# Altium PCB FMC_ADC_128CH_10B.PcbDoc (part 8 of 14)
Units mm, origin at the board's own origin, x right, y up, seen from the top; angles counter-clockwise.
Board outline 76.5 x 69 mm, 8 copper layers (Top Layer, Int1 (Sign), Int2 (GND), Int3 (Sign), Int4 (Sign), Int5 (GND), Int6 (Sign), Bottom Layer), stack 1.433 mm thick; 815 components, 661 nets, 3772 pads, 2072 vias.
Unrouted connection lines stored in the file: 135.
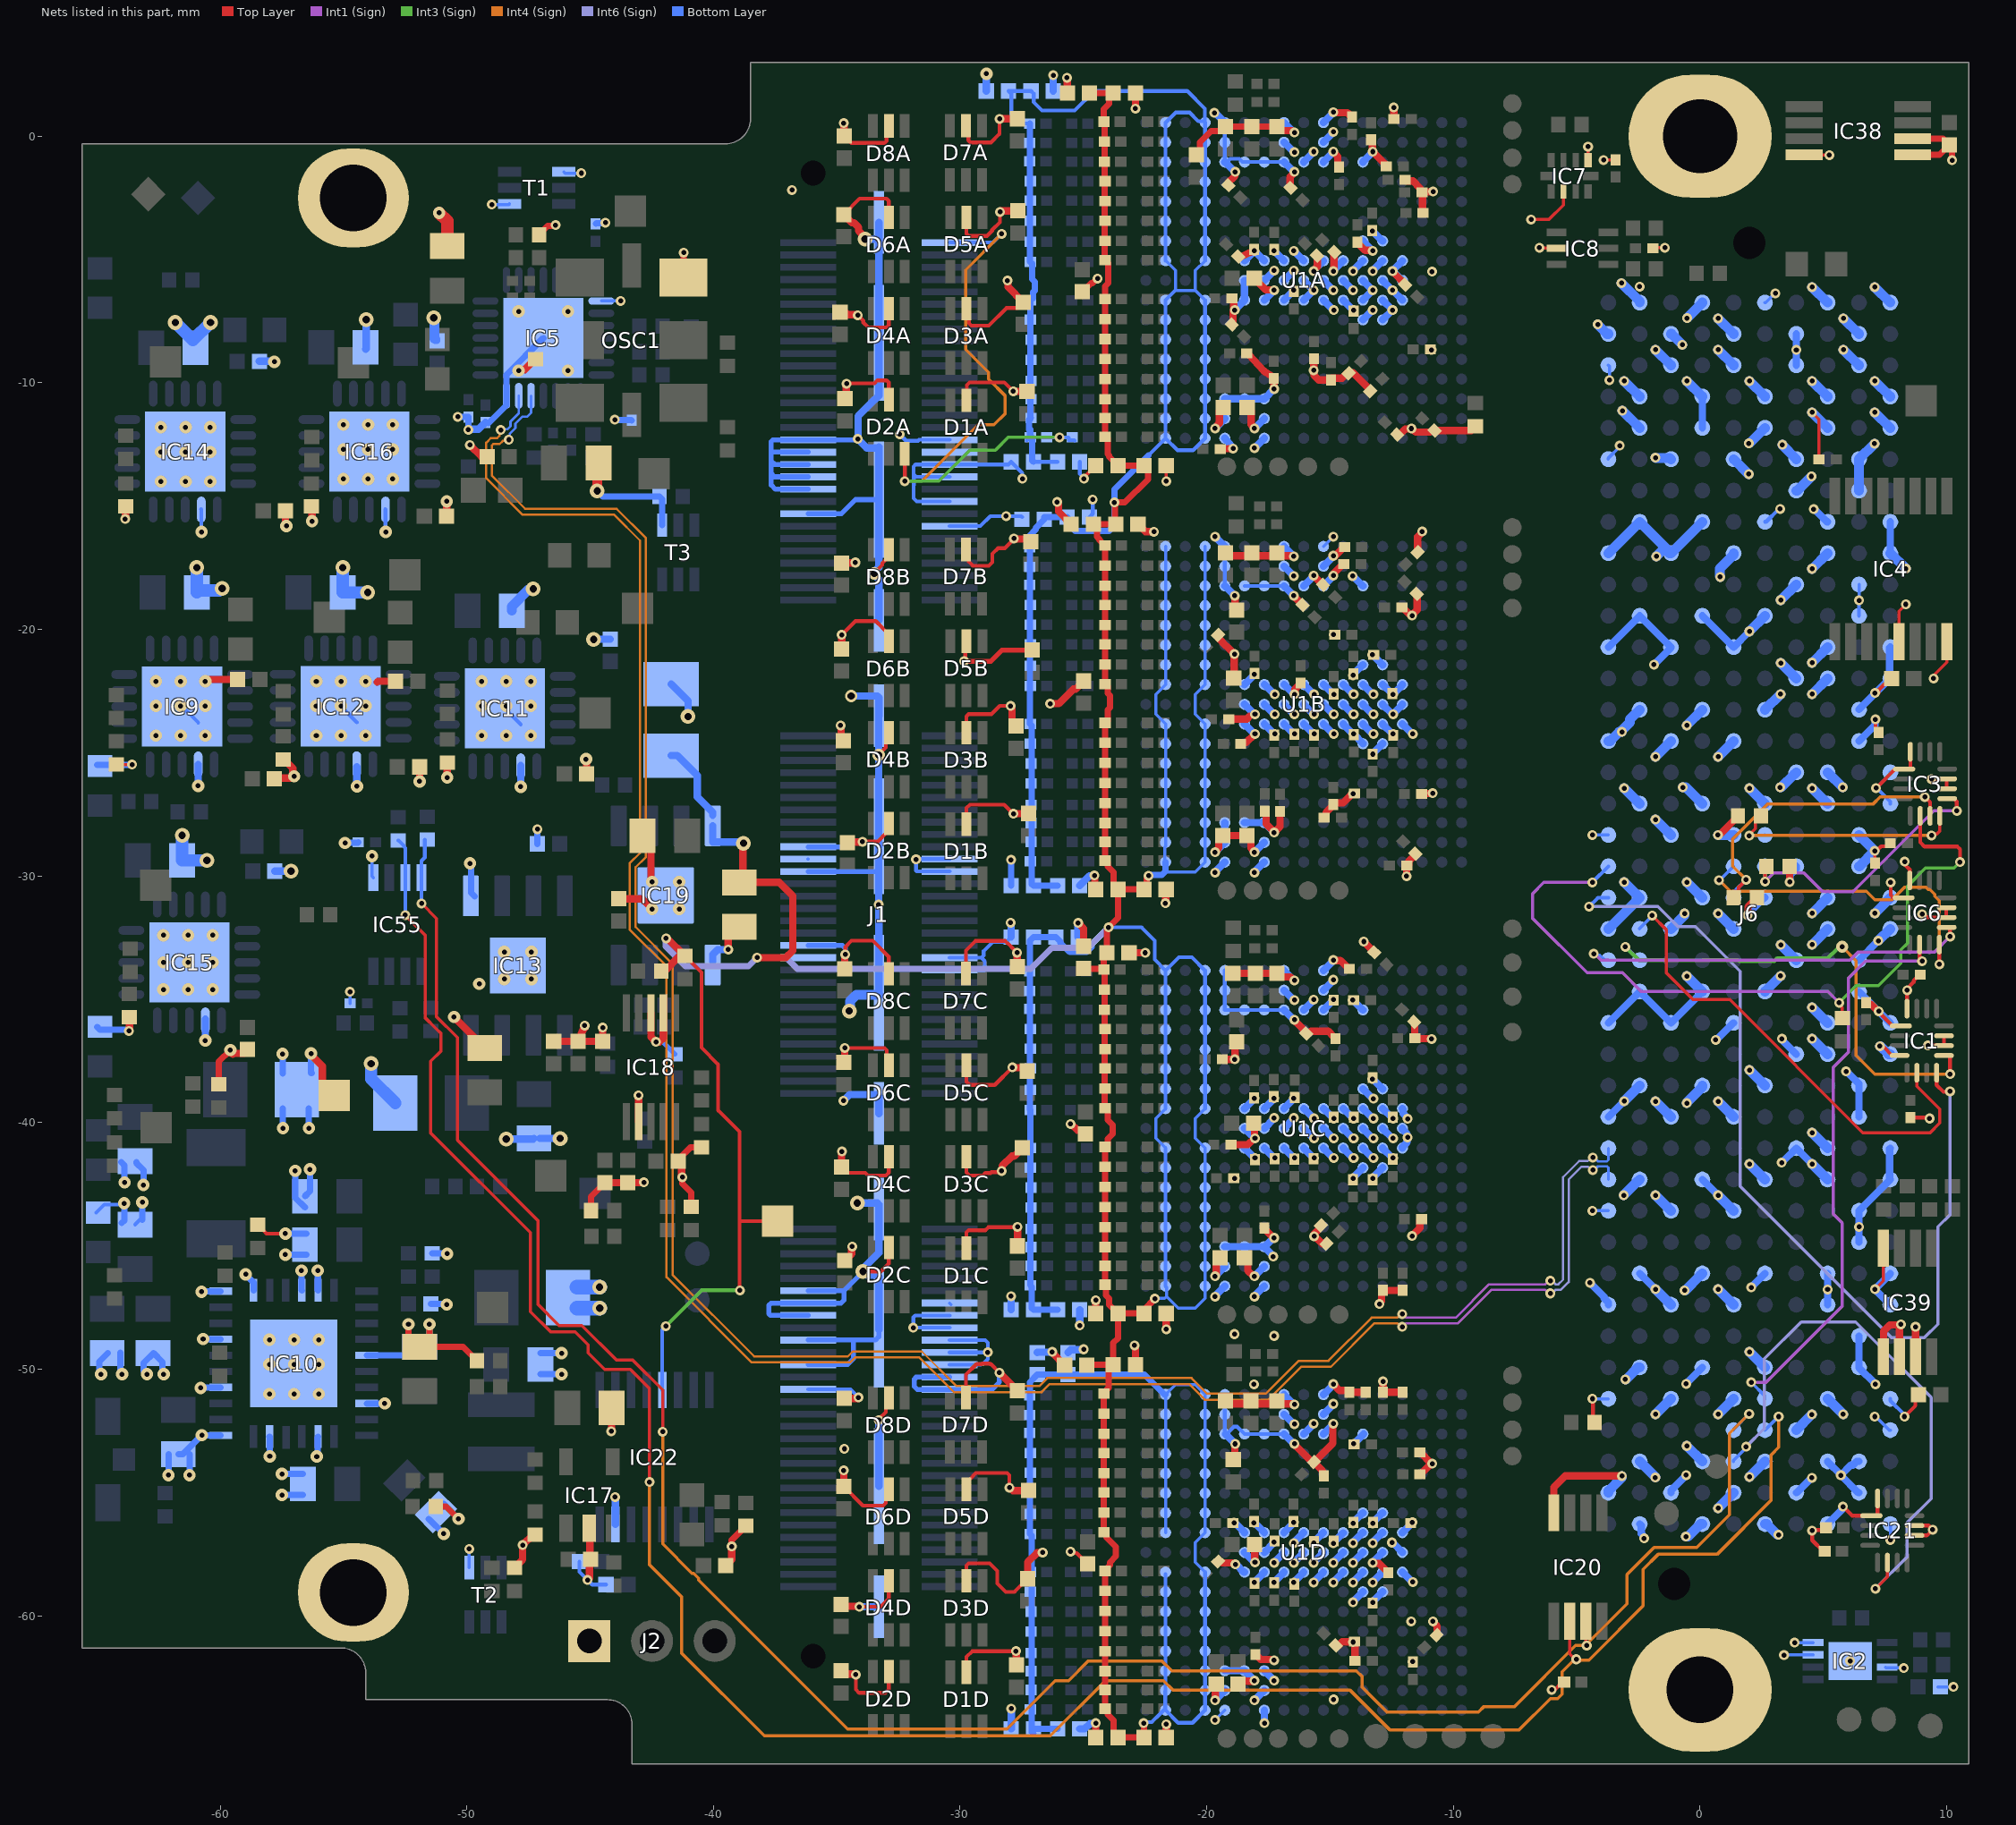
[diagram p14: the nets of this part, all layers, seen from the top]

## Via types
v1: diameter 0.4, hole 0.2, Top Layer to Bottom Layer, tented both sides, 1806 vias
v2: diameter 0.5, hole 0.2, Top Layer to Bottom Layer, tented both sides, 181 vias
v3: diameter 0.6, hole 0.3, Top Layer to Bottom Layer, tented both sides, 81 vias
v4: diameter 0.5, hole 0.3, Top Layer to Bottom Layer, tented both sides, 3 vias
v5: diameter 0.6, hole 0.2, Top Layer to Bottom Layer, tented both sides, 1 vias

## Nets (pads, with @x,y where several pads share a name; then routed paths per layer and width w, separated by ;. In a path a pad name is that pad's centre, name@x,y a point inside that pad or via, vN(x,y) a via of type N, cw(c..) or ccw(c..) an arc to the next point about the centre after c; other vN are vias at no path point) (continued)
GND: (continued)
  Bottom Layer w0.3: v2(-60.893,-26.34) -60.891,-26.338 IC9.12@-60.891,-25.475 ; v2(-60.599,-36.667) -60.597,-36.665 IC15.12@-60.597,-35.802 ; C89.2@-58.408,-9.125 -57.823,-9.125 v2(-57.8,-9.148) ; C104.2@-57.783,-29.799 -57.781,-29.8 v3(-57.127,-29.801) v3(-57.127,-29.801) ; IC12.12@-54.462,-25.574 -54.455,-25.581 -54.455,-26.356 v2(-54.45,-26.361) ; C109.1@-54.1,-8.63 -54.079,-8.609 v3(-54.079,-7.439) ; v1(-49.937,-11.901) -49.918,-11.882 -49.526,-11.882 -49.32,-11.676 -49.295,-11.676 -49.245,-11.626 C17.1@-49.245,-11.601 ; v3@-48.46,-40.661 v3(-48.402,-40.661) -47.303,-40.661 C111.1@-47.279,-40.637 ; v2(-47.812,-26.379) -47.81,-26.377 IC11.12@-47.81,-25.514 ; C111.1@-47.04,-40.64 v3(-46.215,-40.64) ; v3(-44.858,-20.4) -44.853,-20.396 -44.191,-20.396 C78.2@-44.187,-20.392 ; v1(-43.991,-55.182) -43.977,-55.195 IC22.15@-43.977,-56.293 ; C122.2@-41.713,-22.214 -41.03,-22.897 v3(-41.03,-23.53) ; IC19.1@-40.031,-33.609 -40.031,-33.182 -39.829,-32.98 v1(-39.402,-32.98) ; v1@-34.709,-39.093 -34.476,-38.86 -33.358,-38.86 -33.293,-38.925 J1.188@-33.293,-39.627 ; v4(-34.416,-22.696) -33.358,-22.696 -33.293,-22.761 J1.185@-33.293,-23.497 -33.298,-23.503 v4@-33.298,-25.1 ; v3(-34.166,-43.258) -33.358,-43.258 -33.293,-43.323 -33.293,-45.281 -33.881,-45.869 -33.881,-45.978 v3(-33.939,-46.035) -33.784,-46.19 -33.358,-46.19 -33.293,-46.255 J1.190@-33.293,-48.39 ; v1(-34.083,-59.633) -34.08,-59.63 J1.192@-33.293,-59.63 ; v3(-33.855,-4.167) -33.358,-4.167 -33.293,-4.102 J1.181@-33.293,-4.06 ; J1.183@-33.432,-12.633 -33.79,-12.633 ; v1(-33.304,-31.155) -33.293,-31.165 J1.187@-33.293,-34.819 ; v4(-33.304,-25.095) v4@-33.298,-25.1 ; J1.191@-33.293,-54.74 v1(-33.293,-52.063) ; v1@-33.293,-31.201 -33.298,-31.196 -33.298,-29.794 -33.298,-28.393 J1.186@-33.293,-28.387 -33.298,-28.382 v4@-33.298,-25.136 ; v4@-33.293,-25.141 v4@-33.298,-25.136 ; J1.184@-33.293,-19.625 -33.293,-17.971 -33.503,-17.761 -33.503,-17.692 -33.293,-17.483 J1.183@-33.293,-14.735 J1.183@-33.293,-12.706 ; J1.183@-33.293,-12.594 J1.183@-33.293,-12.706 ; J1.181@-33.293,-3.495 J1.181@-33.293,-4.06 ; C74A.2@-28.938,1.836 -28.938,2.476 -28.964,2.502 -28.964,2.505 v2(-28.931,2.538) ; v1(-27.951,-31.889) -27.929,-31.91 C74C.2@-27.929,-32.47 ; C26D.2@-27.929,-64.581 -27.926,-64.578 -27.926,-63.761 v1(-27.923,-63.758) ; C26C.2@-27.93,-47.584 v1(-27.931,-47.036) ; C74D.2@-26.87,-49.319 -26.859,-49.308 -26.281,-49.308 v1(-26.27,-49.297) ; C71A.2@-26.224,1.836 v1(-26.224,2.473) ; C71D.2@-25.625,-49.319 -25.514,-49.208 -25.009,-49.208 v1(-24.99,-49.189) ; C71C.2@-25.215,-32.47 v1(-25.215,-31.902) ; C72D.2@-25.15,-64.581 -24.95,-64.581 -24.741,-64.372 -24.52,-64.372 v1(-24.5,-64.353) ; v1(-25.15,-48.222) C72C.2@-25.15,-47.585 ; C72B.2@-25.15,-30.389 -24.753,-29.992 -24.573,-29.992 v1(-24.554,-29.973) ; v1(-19.667,-63.425) U1D.E16@-19.267,-63.025 ; v1@-19.667,-47.03 U1C.E17@-19.267,-46.63 ; v1(-19.667,-46.23) U1C.E16@-19.267,-45.83 ; v1@-19.667,-29.834 U1B.E17@-19.267,-29.434 ; v1(-19.667,-29.034) U1B.E16@-19.267,-28.634 U1B.E15@-19.267,-27.834 ; v1(-19.667,-16.234) U1B.E1@-19.267,-16.634 ; v1(-19.667,-11.845) U1A.E16@-19.267,-11.445 ; v1@-19.667,0.955 U1A.E1@-19.267,0.555 ; U1D.E15@-19.267,-62.225 U1D.F15@-18.467,-62.225 v1(-18.067,-62.625) ; U1C.E15@-19.267,-45.03 U1C.F15@-18.467,-45.03 U1C.G15@-17.667,-45.03 ; U1B.E3@-19.267,-18.234 v1(-18.867,-18.634) ; U1A.E17@-19.267,-12.245 v1@-18.922,-12.654 ; U1A.E15@-19.267,-10.645 U1A.F15@-18.467,-10.645 U1A.G15@-17.667,-10.645 v1(-17.267,-10.245) ; U1A.E3@-19.267,-1.045 v1@-18.867,-1.445 ; U1D.E3@-19.244,-52.626 v1(-18.844,-53.026) ; v1@-18.867,-56.225 U1D.F8@-18.467,-56.625 ; v1(-18.867,-7.045) U1A.F10@-18.467,-6.645 U1A.F9@-18.467,-5.845 U1A.G9@-17.667,-5.845 v1(-17.267,-5.445) ; v1(-18.837,-57.907) -18.812,-57.907 -18.493,-58.225 U1D.F10@-18.467,-58.225 ; U1D.F9@-18.467,-57.425 v1@-18.067,-57.825 ; U1C.F10@-18.467,-41.03 v1@-18.067,-41.43 ; U1C.F9@-18.467,-40.23 v1@-18.067,-40.63 ; U1C.F8@-18.467,-39.43 v1@-18.067,-39.03 ; U1B.F15@-18.467,-27.834 U1B.G15@-17.667,-27.834 v1(-17.267,-28.234) ; U1B.F10@-18.467,-23.834 v1@-18.067,-24.234 ; U1B.F9@-18.467,-23.034 v1@-18.067,-23.434 ; U1B.F8@-18.467,-22.234 v1@-18.067,-21.834 ; U1A.F8@-18.467,-5.045 v1(-18.067,-4.645) U1A.G8@-17.667,-5.045 ; v1(-18.067,-63.425) U1D.G16@-17.667,-63.025 ; v1@-18.067,-58.625 U1D.G10@-17.667,-58.225 ; v1@-18.067,-56.225 U1D.G8@-17.667,-56.625 ; v1@-18.067,-47.03 U1C.G17@-17.667,-46.63 ; v1(-18.067,-46.23) U1C.G16@-17.667,-45.83 ; v1@-18.067,-29.834 U1B.G17@-17.667,-29.434 ; v1(-18.067,-29.034) U1B.G16@-17.667,-28.634 ; v1(-18.067,-12.645) U1A.G17@-17.667,-12.245 ; v1(-18.067,-11.845) U1A.G16@-17.667,-11.445 ; U1D.G17@-17.667,-63.825 -17.665,-63.827 -17.665,-64.351 v1(-17.663,-64.353) ; U1D.G15@-17.667,-62.225 v1(-17.267,-62.625) ; U1D.G9@-17.667,-57.425 v1@-17.267,-57.025 ; U1C.G10@-17.667,-41.03 v1@-17.267,-41.43 ; U1C.G9@-17.667,-40.23 v1@-17.267,-39.83 ; U1C.G8@-17.667,-39.43 v1@-17.267,-39.03 ; U1B.G10@-17.667,-23.834 v1@-17.267,-24.234 ; U1B.G9@-17.667,-23.034 v1@-17.267,-23.434 ; U1B.G8@-17.667,-22.234 v1@-17.267,-22.634 ; U1A.G10@-17.667,-6.645 v1(-17.267,-6.245) ; v1(-17.304,-45.433) -17.304,-45.413 -17.667,-45.05 U1C.G15@-17.667,-45.03 ; v1@-17.267,-58.625 U1D.H10@-16.867,-58.225 ; v1@-17.267,-57.825 U1D.H9@-16.867,-57.425 ; v1(-17.267,-4.645) U1A.H8@-16.867,-5.045 ; v1(-17.266,-44.673) -17.288,-44.673 -17.645,-45.03 U1C.G15@-17.667,-45.03 ; U1D.H8@-16.867,-56.625 v1@-16.467,-56.225 ; U1D.H3@-16.867,-52.625 v1@-16.467,-53.025 ; U1D.H2@-16.867,-51.825 v1@-16.467,-52.225 ; U1D.H1@-16.867,-51.025 v1@-16.467,-51.425 ; U1C.H10@-16.867,-41.03 v1@-16.467,-41.43 ; U1C.H9@-16.867,-40.23 v1@-16.467,-39.83 ; U1C.H8@-16.867,-39.43 v1@-16.467,-39.03 ; U1C.H3@-16.867,-35.43 v1@-16.467,-35.83 ; U1C.H2@-16.867,-34.63 v1@-16.467,-35.03 ; U1C.H1@-16.867,-33.83 v1@-16.467,-34.23 ; U1B.H10@-16.867,-23.834 v1@-16.467,-24.234 ; U1B.H9@-16.867,-23.034 v1@-16.467,-23.434 ; U1B.H8@-16.867,-22.234 v1@-16.467,-22.634 ; U1B.H3@-16.867,-18.234 v1(-16.467,-18.634) ; U1B.H2@-16.867,-17.434 v1(-16.467,-17.834) ; U1B.H1@-16.867,-16.634 v1(-16.467,-17.034) ; U1A.H10@-16.867,-6.645 v1(-16.467,-6.245) ; U1A.H9@-16.867,-5.845 v1(-16.467,-5.445) ; U1A.H3@-16.867,-1.045 v1@-16.467,-1.445 ; U1A.H2@-16.867,-0.245 v1@-16.467,-0.645 ; U1A.H1@-16.867,0.555 v1@-16.467,0.155 ; v1@-16.467,-58.625 U1D.J10@-16.067,-58.225 ; v1@-16.467,-57.825 U1D.J9@-16.067,-57.425 ; v1@-16.467,-57.025 U1D.J8@-16.067,-56.625 ; v1(-16.467,-4.645) U1A.J8@-16.067,-5.045 ; U1D.J3@-16.067,-52.625 v1@-15.667,-52.225 ; U1C.J10@-16.067,-41.03 v1@-15.667,-41.43 ; U1C.J9@-16.067,-40.23 v1@-15.667,-40.63 ; U1C.J8@-16.067,-39.43 v1@-15.667,-39.83 ; U1C.J3@-16.067,-35.43 v1@-15.667,-35.03 ; U1B.J10@-16.067,-23.834 v1@-15.667,-24.234 ; U1B.J9@-16.067,-23.034 v1@-15.667,-23.434 ; U1B.J8@-16.067,-22.234 v1@-15.667,-22.634 ; U1B.J3@-16.067,-18.234 v1@-15.667,-17.834 ; U1A.J10@-16.067,-6.645 v1(-15.667,-6.245) U1A.J9@-16.067,-5.845 ; U1A.J3@-16.067,-1.045 v1@-15.667,-0.645 ; v1@-15.667,-58.625 U1D.K10@-15.267,-58.225 ; v1@-15.667,-57.825 U1D.K9@-15.267,-57.425 ; v1@-15.667,-57.025 U1D.K8@-15.267,-56.625 ; v1@-15.667,-5.445 U1A.K8@-15.267,-5.045 ; U1D.K3@-15.267,-52.625 v1@-14.867,-52.225 ; U1D.K2@-15.267,-51.825 v1@-14.867,-51.425 ; U1D.K1@-15.267,-51.025 v1@-14.867,-50.625 ; U1C.K10@-15.267,-41.03 v1@-14.867,-41.43 ; U1C.K9@-15.267,-40.23 v1@-14.867,-40.63 ; U1C.K8@-15.267,-39.43 v1@-14.867,-39.83 ; U1C.K3@-15.267,-35.43 v1@-14.867,-35.03 ; U1C.K2@-15.267,-34.63 v1@-14.867,-34.23 ; U1C.K1@-15.267,-33.83 v1@-14.867,-33.43 ; U1B.K10@-15.267,-23.834 v1@-14.867,-24.234 ; U1B.K9@-15.267,-23.034 v1@-14.867,-23.434 ; U1B.K8@-15.267,-22.234 v1@-14.867,-22.634 ; U1B.K3@-15.267,-18.234 v1@-14.867,-17.834 ; U1B.K2@-15.267,-17.434 v1@-14.867,-17.034 ; U1A.K10@-15.267,-6.645 v1@-14.867,-7.045 ; U1A.K9@-15.267,-5.845 v1(-14.867,-6.245) ; U1A.K3@-15.267,-1.045 v1@-14.867,-0.645 ; U1A.K2@-15.267,-0.245 v1@-14.867,0.155 ; U1A.K1@-15.267,0.555 v1@-14.867,0.955 ; v1@-14.867,-58.625 U1D.L10@-14.467,-58.225 ; v1@-14.867,-57.825 U1D.L9@-14.467,-57.425 ; v1@-14.867,-57.038 U1D.L8@-14.467,-56.638 ; v1@-14.867,-5.445 U1A.L8@-14.467,-5.045 ; U1C.L10@-14.467,-41.03 v1@-14.067,-41.43 ; U1C.L9@-14.467,-40.23 v1@-14.067,-40.63 ; U1C.L8@-14.467,-39.43 v1@-14.067,-39.83 ; U1B.L10@-14.467,-23.834 v1@-14.067,-24.234 ; U1B.L9@-14.467,-23.034 v1@-14.067,-23.434 ; U1B.L8@-14.467,-22.234 v1@-14.067,-22.634 ; U1A.L10@-14.467,-6.645 v1@-14.067,-7.045 ; U1A.L9@-14.467,-5.845 v1(-14.067,-6.245) ; v1@-14.067,-59.425 U1D.M11@-13.667,-59.025 ; v1@-14.067,-58.625 U1D.M10@-13.667,-58.225 ; v1@-14.067,-57.825 U1D.M9@-13.667,-57.425 ; v1@-14.067,-57.025 U1D.M8@-13.667,-56.625 ; v1@-14.067,-56.225 U1D.M7@-13.667,-55.825 ; v1@-14.067,-42.23 U1C.M11@-13.667,-41.83 ; v1@-14.067,-35.03 U1C.M3@-13.667,-35.43 ; v1@-14.067,-21.834 U1B.M7@-13.667,-21.434 ; v1@-14.067,-17.834 U1B.M3@-13.667,-18.234 ; v1@-14.067,-5.445 U1A.M8@-13.667,-5.045 ; v1(-14.045,-24.234) -14.045,-24.245 -13.667,-24.623 U1B.M11@-13.667,-24.634 ; v1@-14.041,-53.021 U1D.M3@-13.641,-52.621 ; U1C.M10@-13.667,-41.03 v1@-13.267,-41.43 ; U1C.M9@-13.667,-40.23 v1@-13.267,-40.63 ; U1C.M8@-13.667,-39.43 v1@-13.267,-39.83 ; U1C.M7@-13.667,-38.63 v1@-13.267,-39.03 ; U1B.M10@-13.667,-23.834 v1@-13.267,-24.234 ; U1B.M9@-13.667,-23.034 v1@-13.267,-23.434 ; U1B.M8@-13.667,-22.234 v1@-13.267,-22.634 ; U1A.M11@-13.667,-7.445 v1(-13.267,-7.045) ; U1A.M10@-13.667,-6.645 v1(-13.267,-6.245) U1A.M9@-13.667,-5.845 ; U1A.M7@-13.667,-4.245 v1(-13.267,-4.645) ; U1A.M3@-13.667,-1.045 v1@-13.267,-0.645 ; v1(-13.29,-21.024) -13.283,-21.024 -12.874,-21.434 U1B.N7@-12.867,-21.434 ; v1@-13.267,-59.425 U1D.N11@-12.867,-59.025 ; v1@-13.267,-58.625 U1D.N10@-12.867,-58.225 ; v1@-13.267,-57.825 U1D.N9@-12.867,-57.425 ; v1@-13.267,-57.025 U1D.N8@-12.867,-56.625 ; v1@-13.267,-56.225 U1D.N7@-12.867,-55.825 ; v1@-13.267,-42.23 U1C.N11@-12.867,-41.83 ; v1@-13.267,-38.23 U1C.N7@-12.867,-38.63 ; v1@-13.267,-25.034 U1B.N11@-12.867,-24.634 ; v1@-13.267,-5.445 U1A.N8@-12.867,-5.045 ; v1@-13.267,-3.845 U1A.N7@-12.867,-4.245 ; U1C.N10@-12.867,-41.03 v1@-12.467,-41.43 ; U1C.N9@-12.867,-40.23 v1@-12.467,-40.63 ; U1C.N8@-12.867,-39.43 v1@-12.467,-39.83 ; U1B.N10@-12.867,-23.834 v1@-12.467,-24.234 ; U1B.N9@-12.867,-23.034 v1@-12.467,-23.434 ; U1B.N8@-12.867,-22.234 v1@-12.467,-22.634 ; U1A.N11@-12.867,-7.445 v1(-12.467,-7.045) U1A.N10@-12.867,-6.645 ; U1A.N9@-12.867,-5.845 v1(-12.467,-6.245) U1A.P10@-12.067,-6.645 ; v1@-12.467,-57.025 U1D.P9@-12.067,-57.425 ; v1(-12.467,-5.468) -12.456,-5.468 -12.078,-5.845 U1A.P9@-12.067,-5.845 ; v1@-12.467,-5.445 U1A.P8@-12.067,-5.045 ; v1(-12.445,-23.434) -12.445,-23.423 -12.067,-23.045 U1B.P9@-12.067,-23.034 ; v1(-12.445,-22.634) -12.445,-22.623 -12.067,-22.245 U1B.P8@-12.067,-22.234 ; U1D.P10@-12.067,-58.225 v1@-11.667,-58.625 ; U1D.P8@-12.067,-56.625 v1@-11.667,-56.225 ; U1C.P10@-12.067,-41.03 -12.067,-40.989 -11.874,-40.796 -11.874,-40.62 v1(-11.855,-40.601) -11.855,-40.574 -11.874,-40.554 -11.874,-40.464 -12.067,-40.27 U1C.P9@-12.067,-40.23 ; U1C.P8@-12.067,-39.43 -12.038,-39.458 -12.038,-39.63 -11.855,-39.814 v1(-11.855,-39.841) ; U1B.P10@-12.067,-23.834 v1@-11.667,-24.234 ; v1@-4.441,-46.514 -3.887,-47.068 -3.887,-47.122 -3.717,-47.292 J6.k33@-3.717,-47.384 ; J6.k24@-3.717,-35.954 J6.j23@-2.447,-34.684 J6.h24@-1.177,-35.954 J6.g23@0.093,-34.684 ; J6.k12@-3.717,-20.714 J6.j11@-2.447,-19.444 J6.h12@-1.177,-20.714 -1.177,-20.732 v1(-1.868,-21.423) ; J6.k27@-3.711,-39.764 v1(-3.074,-39.127) ; J6.j40@-2.447,-56.274 -2.382,-56.339 -2.382,-56.67 v1@-2.349,-56.703 ; J6.j32@-2.447,-46.114 -2.447,-46.117 -1.81,-46.755 v1(-1.81,-46.757) ; J6.h39@-1.177,-55.004 -1.177,-54.912 -1.02,-54.755 -1.02,-54.747 v1(-0.561,-54.288) ; v1(-0.561,-50.595) -0.561,-50.578 J6.g35@0.093,-49.924 ; J6.g4@0.087,-10.554 0.093,-10.56 J6.g5@0.093,-11.824 ; J6.g29@0.093,-42.304 0.093,-42.307 0.73,-42.945 v1(0.73,-42.947) ; J6.g11@0.093,-19.444 J6.f12@1.363,-20.714 1.366,-20.714 2.003,-20.077 v1(2.006,-20.077) ; v1(0.634,-36.641) 0.655,-36.641 1.342,-35.954 J6.f24@1.363,-35.954 ; v1(1.929,-31.588) 1.929,-31.545 2.599,-30.874 J6.e20@2.633,-30.874 ; v1(2.076,-46.683) 2.076,-46.677 2.633,-46.12 J6.e32@2.633,-46.114 ; v1(3.313,-41.623) J6.d28@3.903,-41.034 ; v1(3.32,-36.597) 3.339,-36.616 3.339,-36.66 J6.d25@3.903,-37.224 ; v1(3.633,-30.241) 3.652,-30.222 3.652,-29.947 3.903,-29.696 J6.d19@3.903,-29.604 ; J6.d39@3.903,-55.004 3.916,-55.004 4.517,-54.402 v1(4.53,-54.402) ; J6.d28@3.903,-41.034 3.903,-41.04 v1(4.54,-41.677) ; J6.d3@3.903,-9.284 3.905,-9.282 3.905,-8.657 v1(3.903,-8.661) J6.d2@3.903,-8.014 ; v1(4.603,-15.118) 4.63,-15.118 5.146,-15.634 J6.c8@5.173,-15.634 ; J6.c40@5.173,-56.274 5.798,-55.649 v1(5.798,-55.568) ; J6.c38@5.173,-53.734 5.173,-53.75 5.708,-54.285 v1(5.708,-54.301) ; J6.c33@5.173,-47.384 5.175,-47.382 5.175,-46.757 v1(5.173,-46.761) J6.c32@5.173,-46.114 ; v1(5.918,-37.919) 5.937,-37.9 5.937,-37.912 6.443,-38.418 J6.b26@6.443,-38.494 J6.b27@6.443,-39.764 ; J6.b39@6.443,-55.004 6.411,-55.004 v1(5.708,-54.301) ; J6.b38@6.443,-53.734 6.351,-53.734 6.2,-53.886 6.124,-53.886 v1(5.708,-54.301) ; J6.b34@6.443,-48.654 J6.b35@6.443,-49.924 6.443,-49.935 7.109,-50.601 v1(7.109,-50.612) ; J6.b31@6.443,-44.844 6.445,-44.842 6.445,-44.217 v1(6.443,-44.221) J6.b30@6.443,-43.574 J6.a29@7.713,-42.304 7.69,-42.281 7.69,-41.057 J6.a28@7.713,-41.034 ; J6.b23@6.443,-34.684 J6.a24@7.713,-35.954 ; J6.b22@6.443,-33.414 6.443,-33.413 v1(7.23,-32.624) v1(7.23,-32.624) ; J6.b15@6.443,-24.524 7.094,-23.873 7.094,-23.662 v1(7.113,-23.643) ; J6.b14@6.443,-23.238 7.092,-22.589 v1(7.092,-22.573) 7.108,-22.573 7.697,-21.984 J6.a13@7.713,-21.984 7.69,-21.961 7.69,-20.737 J6.a12@7.713,-20.714 ; J6.a33@7.713,-47.384 7.713,-47.381 7.092,-46.761 v1(7.092,-46.757) 7.092,-46.746 7.713,-46.126 J6.a32@7.713,-46.114 ; J6.a8@7.713,-15.634 7.713,-16.899 J6.a9@7.719,-16.904 ; -33.79,-12.633 v1(-34.151,-12.272) -34.132,-12.253 -34.132,-11.351 -33.44,-10.659 -33.432,-10.659 -33.293,-10.52 J1.182@-33.293,-8.385 J1.181@-33.293,-4.06 ; -33.79,-12.633 -33.782,-12.641 -33.358,-12.641 J1.183@-33.293,-12.706 ; v4@-33.298,-25.136 v4@-33.298,-25.1
  Bottom Layer w0.4: v3(-51.343,-7.357) -51.305,-7.395 -51.305,-8.196 C105.2@-51.282,-8.219 ; C84.1@-48.177,-19.241 -48.177,-19.066 -47.498,-18.387 -47.342,-18.387 v3(-47.304,-18.349) ; v3(-34.495,-35.47) -34.457,-35.432 -34.457,-35.072 -34.204,-34.819 J1.187@-33.293,-34.819 ; v1(-4.144,-7.633) -3.762,-8.014 J6.k2@-3.717,-8.014 ; J6.k15@-3.723,-24.53 J6.k15@-3.717,-24.524 -3.652,-24.524 -3.285,-24.157 v1(-3.164,-24.157) -3.164,-24.092 -2.838,-23.767 -2.838,-23.646 J6.j14@-2.447,-23.254 ; J6.k39@-3.717,-55.004 -3.717,-54.939 -3.167,-54.39 v1(-3.167,-54.324) ; J6.k21@-3.717,-32.144 -3.717,-32.131 -3.723,-32.125 -3.698,-32.125 -2.453,-30.88 -2.453,-30.874 v1(-3.08,-30.247) ; J6.k9@-3.717,-16.904 J6.j8@-2.447,-15.634 J6.h9@-1.177,-16.904 ; v1(-3.187,-5.951) -2.447,-6.691 J6.j1@-2.447,-6.744 ; v1(-3.147,-11.129) -2.452,-11.824 J6.j5@-2.447,-11.824 ; v1@-3.096,-42.947 -2.528,-42.38 -2.522,-42.38 J6.j29@-2.447,-42.304 ; v1(-3.08,-26.437) -2.453,-27.064 J6.j17@-2.447,-27.064 ; v1(-3.08,-9.927) -2.453,-10.554 J6.j4@-2.447,-10.554 ; v1(-3.074,-39.127) -2.447,-38.5 J6.j26@-2.447,-38.494 ; v1(-3.028,-50.412) -2.999,-50.412 -2.512,-49.924 J6.j35@-2.447,-49.924 ; J6.j38@-2.447,-53.734 -1.814,-54.367 v1(-1.814,-54.393) ; v1(-1.81,-46.757) -1.183,-47.384 J6.h33@-1.177,-47.384 ; v1(-1.81,-42.947) -1.183,-43.574 J6.h30@-1.177,-43.574 ; v1(-1.81,-39.137) -1.183,-39.764 J6.h27@-1.177,-39.764 ; v1(-1.81,-27.707) -1.183,-28.334 J6.h18@-1.177,-28.334 ; v1(-1.81,-13.032) -1.793,-13.048 -1.223,-13.048 J6.h6@-1.177,-13.094 ; v1(-1.81,-8.657) -1.183,-9.284 J6.h3@-1.177,-9.284 ; v1(-1.804,-51.827) -1.177,-51.2 J6.h36@-1.177,-51.194 ; v1(-1.804,-25.157) -1.177,-24.53 J6.h15@-1.177,-24.524 ; v1(-1.772,-17.035) -1.442,-16.705 -1.242,-16.904 J6.h9@-1.177,-16.904 ; J6.h21@-1.177,-32.144 -0.625,-31.592 v1(-0.625,-31.517) ; J6.h2@-1.177,-8.014 -1.156,-8.014 v1(-0.72,-8.451) ; v1(-0.702,-26.402) -0.57,-26.402 J6.g17@0.093,-27.064 ; v1(-0.625,-46.798) -0.596,-46.798 0.012,-46.19 0.018,-46.19 J6.g32@0.093,-46.114 ; v1(-0.569,-56.787) -0.484,-56.787 0.028,-56.274 J6.g40@0.093,-56.274 ; v1(-0.54,-53.107) 0.087,-53.734 J6.g38@0.093,-53.734 ; v1(-0.54,-39.21) -0.498,-39.169 -0.498,-39.15 0.093,-38.559 J6.g26@0.093,-38.494 ; v1(-0.54,-34.057) 0.087,-34.684 J6.g23@0.093,-34.684 ; v1(-0.54,-30.247) 0.087,-30.874 J6.g20@0.093,-30.874 ; v1(-0.54,-9.927) J6.g4@0.087,-10.554 ; v1(-0.534,-23.887) 0.093,-23.26 J6.g14@0.093,-23.254 ; v1(-0.524,-7.378) 0.093,-6.761 J6.g1@0.093,-6.744 ; J6.g8@0.093,-15.634 J6.h9@-1.177,-16.904 ; v1(0.723,-28.334) J6.f18@1.363,-28.334 ; v1(0.73,-46.757) 1.357,-47.384 J6.f33@1.363,-47.384 ; v1(0.73,-42.947) 1.357,-43.574 J6.f30@1.363,-43.574 ; v1(0.73,-39.137) 1.357,-39.764 J6.f27@1.363,-39.764 ; v1(0.73,-31.517) 1.357,-32.144 J6.f21@1.363,-32.144 ; v1(0.73,-8.657) 1.357,-9.284 J6.f3@1.363,-9.284 ; v1(0.73,-7.387) 1.357,-8.014 J6.f2@1.363,-8.014 ; v1(0.736,-55.637) 1.363,-55.01 J6.f39@1.363,-55.004 ; v1(0.736,-51.827) 1.363,-51.2 J6.f36@1.363,-51.194 ; v1(0.736,-25.157) 1.363,-24.53 J6.f15@1.363,-24.524 ; v1(0.814,-17.864) 0.814,-17.854 0.802,-17.842 0.802,-17.53 1.363,-16.969 J6.f9@1.363,-16.904 ; J6.f6@1.363,-13.094 1.962,-13.693 v1(1.976,-13.693) ; v1(1.976,-12.458) 2,-12.458 J6.e5@2.633,-11.824 ; v1(2,-49.297) 2.627,-49.924 J6.e35@2.633,-49.924 ; v1(2,-41.677) 2.627,-42.304 J6.e29@2.633,-42.304 ; v1(2,-37.867) 2.627,-38.494 J6.e26@2.633,-38.494 ; v1(2,-26.437) 2.627,-27.064 J6.e17@2.633,-27.064 ; v1(2,-9.927) 2.627,-10.554 J6.e4@2.633,-10.554 ; v1(2.006,-54.367) 2.633,-53.74 J6.e38@2.633,-53.734 ; v1(2.006,-20.077) 2.633,-19.45 J6.e11@2.633,-19.444 ; J6.e40@2.633,-56.274 2.698,-56.274 3.14,-56.716 v1(3.181,-56.716) ; J6.e23@2.633,-34.684 2.633,-34.679 v1(3.26,-34.052) ; J6.e14@2.635,-23.254 2.635,-23.249 v1(3.262,-22.622) ; v1(3.245,-26.402) 3.29,-26.402 3.822,-25.87 3.828,-25.87 J6.d16@3.903,-25.794 ; v1(3.27,-32.787) 3.897,-33.414 J6.d22@3.903,-33.414 ; v1(3.27,-21.357) 3.897,-21.984 J6.d13@3.903,-21.984 ; v1(3.276,-18.807) 3.903,-18.18 J6.d10@3.903,-18.174 ; v1(3.338,-12.509) 3.338,-12.53 J6.d6@3.903,-13.094 ; J6.d37@3.903,-52.464 3.903,-52.459 v1(4.53,-51.832) ; J6.d7@3.903,-14.364 3.941,-14.364 v1(4.513,-13.792) ; v1(4.54,-41.677) 5.167,-42.304 J6.c29@5.173,-42.304 ; v1(4.54,-40.407) 5.167,-41.034 J6.c28@5.173,-41.034 ; v1(4.54,-36.597) 5.167,-37.224 J6.c25@5.173,-37.224 ; v1(4.54,-35.327) 5.167,-35.954 J6.c24@5.173,-35.954 ; v1(4.54,-26.437) 5.167,-27.064 J6.c17@5.173,-27.064 ; v1(4.54,-11.197) 5.167,-11.824 J6.c5@5.173,-11.824 ; v1(4.54,-9.927) 5.167,-10.554 J6.c4@5.173,-10.554 ; v1(4.54,-6.117) 5.167,-6.744 J6.c1@5.173,-6.744 ; v1(4.546,-32.777) 5.173,-32.15 J6.c21@5.173,-32.144 ; v1(4.546,-31.507) 5.173,-30.88 J6.c20@5.173,-30.874 ; v1(4.546,-22.617) 5.173,-21.99 J6.c13@5.173,-21.984 ; v1(4.546,-21.347) 5.173,-20.72 J6.c12@5.173,-20.714 ; v1(4.546,-17.537) 5.173,-16.91 J6.c9@5.173,-16.904 ; J6.c16@5.167,-25.794 J6.c16@5.173,-25.794 5.781,-26.402 v1(5.785,-26.402) ; J6.c36@5.173,-51.194 5.179,-51.194 v1(5.806,-51.821) ; v1(5.81,-8.657) 6.437,-9.284 J6.b3@6.443,-9.284 ; v1(5.81,-7.387) 6.437,-8.014 J6.b2@6.443,-8.014 ; J6.b19@6.443,-29.604 6.456,-29.604 v1(7.08,-28.98) 6.443,-28.342 J6.b18@6.443,-28.334 ; J6.b7@6.443,-14.364 J6.b6@6.443,-13.094 6.443,-13.089 v1(7.07,-12.462) ; v1(7.08,-11.197) 7.707,-11.824 J6.a5@7.713,-11.824 ; v1(7.08,-9.927) 7.707,-10.554 J6.a4@7.713,-10.554 ; v1(7.08,-6.117) 7.707,-6.744 J6.a1@7.713,-6.744 ; v1(7.086,-31.507) 7.713,-30.88 J6.a20@7.713,-30.874 ; v1(7.23,-32.624) 7.71,-32.144 J6.a21@7.713,-32.144 ; v1(7.293,-36.895) 7.319,-36.895 7.648,-37.224 J6.a25@7.713,-37.224 ; J6.a9@7.719,-16.904 v1(8.346,-17.531)